# Altium PCB 宠物机器人&导购机器人.PcbDoc (part 5 of 14)
Units mil, origin at the board's own origin, x right, y up, seen from the top; angles counter-clockwise.
Board outline 6899.61 x 2204.72 mil, 2 copper layers (Top Layer, Bottom Layer); 229 components, 218 nets, 23463 pads, 263 vias.
Unrouted connection lines stored in the file: 107.
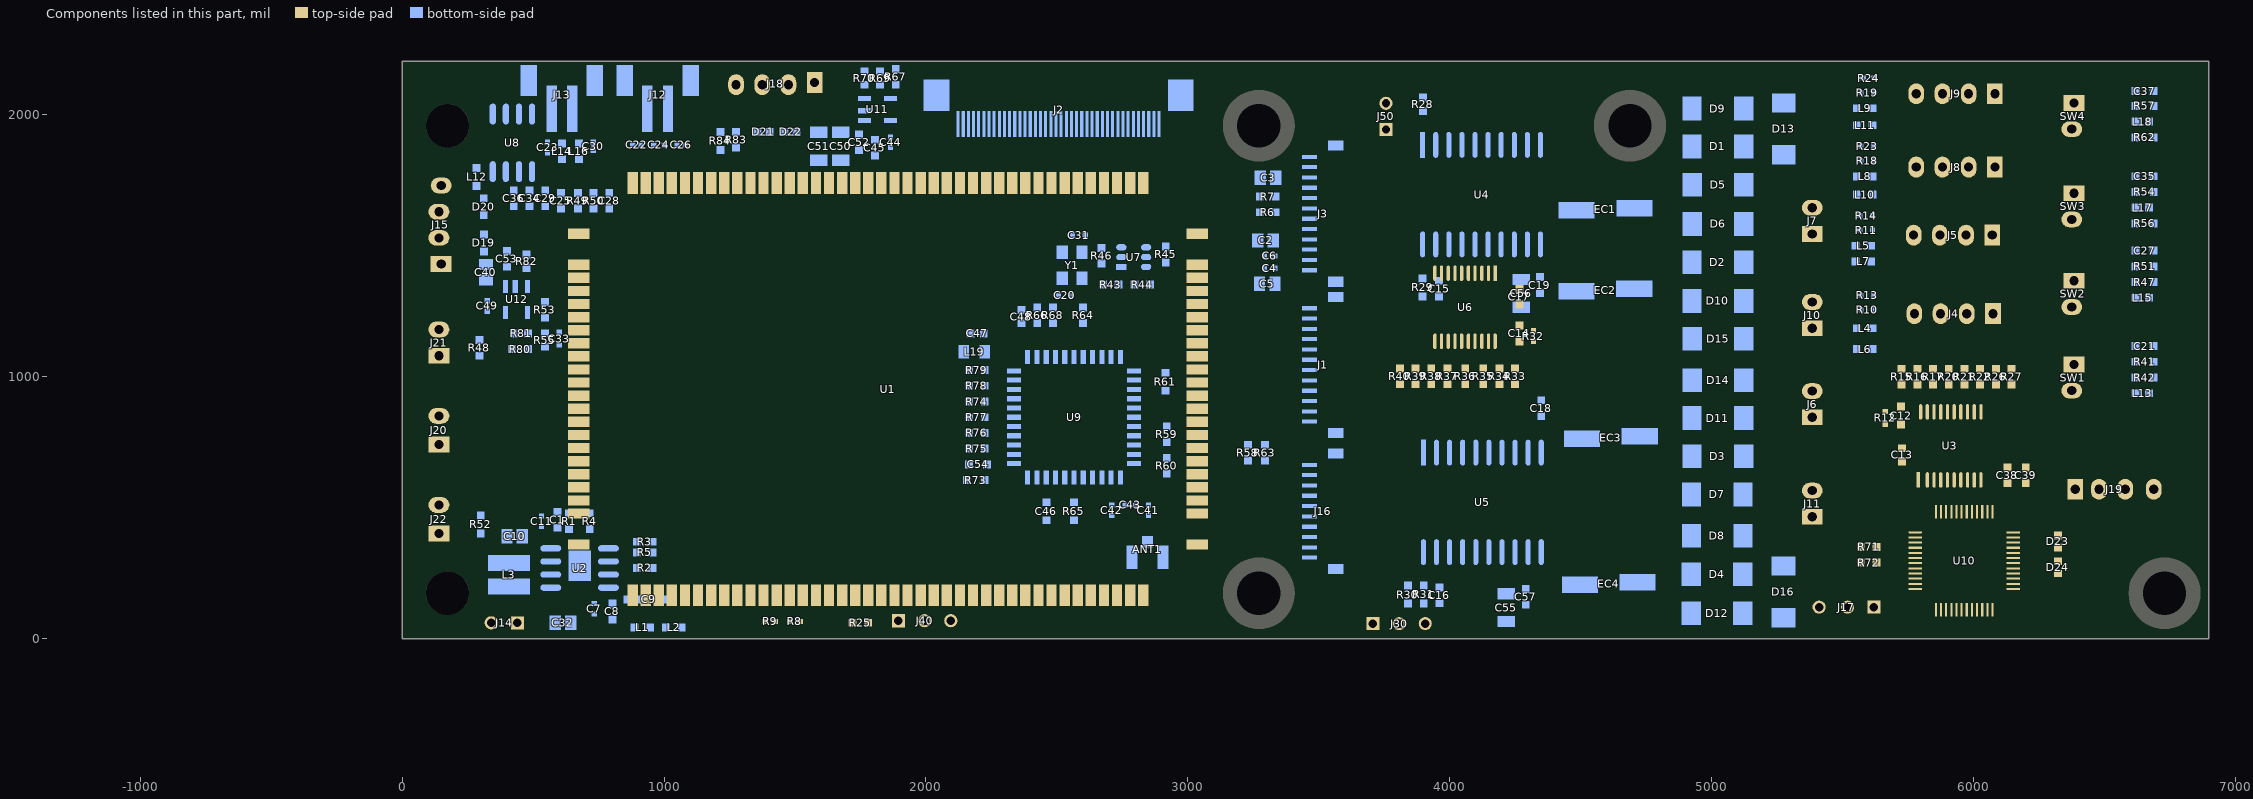
[diagram p5: the components of this part, seen from the top]

## Free pads (board coordinates) (continued)
  round 0.02 on Mech2: 1(-1218.4,-383.24) 1(-1218.4,-383.24) 1(-1218.4,-383.24) 1(-1218.4,-383.15) 1(-1218.4,-383.15) 1(-1218.4,-383.15) 1(-1218.39,-383.7) 1(-1218.39,-383.7) 1(-1218.39,-383.7) 1(-1218.38,-384.88) 1(-1218.38,-384.88) 1(-1218.38,-384.88) 1(-1218.38,-385.02) 1(-1218.38,-385.02) 1(-1218.38,-385.02) 1(-1218.35,-383.64) 1(-1218.35,-383.64) 1(-1218.35,-383.64) 1(-1218.35,-383.34) 1(-1218.35,-383.34) 1(-1218.35,-383.34) 1(-1218.35,-383.6) 1(-1218.35,-383.6) 1(-1218.35,-383.6) 1(-1218.35,-383.54) 1(-1218.35,-383.54) 1(-1218.35,-383.54) 1(-1218.35,-383.54) 1(-1218.35,-383.54) 1(-1218.35,-383.54) 1(-1218.35,-383.44) 1(-1218.35,-383.44) 1(-1218.35,-383.44) 1(-1218.35,-383.44) 1(-1218.35,-383.44) 1(-1218.35,-383.44) 1(-1218.35,-383.38) 1(-1218.35,-383.38) 1(-1218.35,-383.38) 1(-1218.34,-384.69) 1(-1218.34,-384.69) 1(-1218.34,-384.69) 1(-1218.34,-384.52) 1(-1218.34,-384.52) 1(-1218.34,-384.52) 1(-1218.33,-384.17) 1(-1218.33,-384.17) 1(-1218.33,-384.17) 1(-1218.33,-383.18) 1(-1218.33,-383.18) 1(-1218.33,-383.18) 1(-1218.33,-384.39) 1(-1218.33,-384.39) 1(-1218.33,-384.39) 1(-1218.31,-383.85) 1(-1218.31,-383.85) 1(-1218.31,-383.85) 1(-1218.3,-384.69) 1(-1218.3,-384.69) 1(-1218.3,-384.69) 1(-1218.3,-383.97) 1(-1218.3,-383.97) 1(-1218.3,-383.97) 1(-1218.3,-383.54) 1(-1218.3,-383.54) 1(-1218.3,-383.54) 1(-1218.29,-383.44) 1(-1218.29,-383.44) 1(-1218.29,-383.44) 1(-1218.29,-385) 1(-1218.29,-385) 1(-1218.29,-385) 1(-1218.29,-384.09) 1(-1218.29,-384.09) 1(-1218.29,-384.09) 1(-1218.28,-384.87) 1(-1218.28,-384.87) 1(-1218.28,-384.87) 1(-1218.27,-384.29) 1(-1218.27,-384.29) 1(-1218.27,-384.29) 1(-1218.27,-383.73) 1(-1218.27,-383.73) 1(-1218.27,-383.73) 1(-1218.26,-383.57) 1(-1218.26,-383.57) 1(-1218.26,-383.57) 1(-1218.26,-383.41) 1(-1218.26,-383.41) 1(-1218.26,-383.41) 1(-1218.25,-383.18) 1(-1218.25,-383.18) 1(-1218.25,-383.18) 1(-1218.23,-384.83) 1(-1218.23,-384.83) 1(-1218.23,-384.83) 1(-1218.23,-384.74) 1(-1218.23,-384.74) 1(-1218.23,-384.74) 1(-1218.23,-384.74) 1(-1218.23,-384.74) 1(-1218.23,-384.74) 1(-1218.23,-384.74) 1(-1218.23,-384.74) 1(-1218.23,-384.74) 1(-1218.23,-384.65) 1(-1218.23,-384.65) 1(-1218.23,-384.65) 1(-1218.23,-384.57) 1(-1218.23,-384.57) 1(-1218.23,-384.57) 1(-1218.22,-383.28) 1(-1218.22,-383.28) 1(-1218.22,-383.28) 1(-1218.22,-383.28) 1(-1218.22,-383.28) 1(-1218.22,-383.28) 1(-1218.22,-383.76) 1(-1218.22,-383.76) 1(-1218.22,-383.76) 1(-1218.21,-383.67) 1(-1218.21,-383.67) 1(-1218.21,-383.67) 1(-1218.21,-384.94) 1(-1218.21,-384.94) 1(-1218.21,-384.94) 1(-1218.21,-385.06) 1(-1218.21,-385.06) 1(-1218.21,-385.06) 1(-1218.2,-385.21) 1(-1218.2,-385.21) 1(-1218.2,-385.21) 1(-1218.2,-383.12) 1(-1218.2,-383.12) 1(-1218.2,-383.12) 1(-1218.19,-384.45) 1(-1218.19,-384.45) 1(-1218.19,-384.45) 1(-1218.19,-384.28) 1(-1218.19,-384.28) 1(-1218.19,-384.28) 1(-1218.19,-384.4) 1(-1218.19,-384.4) 1(-1218.19,-384.4) 1(-1218.19,-384.33) 1(-1218.19,-384.33) 1(-1218.19,-384.33) 1(-1218.19,-383.41) 1(-1218.19,-383.41) 1(-1218.19,-383.41) 1(-1218.18,-383.65) 1(-1218.18,-383.65) 1(-1218.18,-383.65) 1(-1218.18,-383.56) 1(-1218.18,-383.56) 1(-1218.18,-383.56) 1(-1218.18,-383.28) 1(-1218.18,-383.28) 1(-1218.18,-383.28) 1(-1218.18,-383.92) 1(-1218.18,-383.92) 1(-1218.18,-383.92) 1(-1218.17,-383.22) 1(-1218.17,-383.22) 1(-1218.17,-383.22) 1(-1218.17,-382.99) 1(-1218.17,-382.99) 1(-1218.17,-382.99) 1(-1218.16,-385.13) 1(-1218.16,-385.13) 1(-1218.16,-385.13) 1(-1218.16,-383.67) 1(-1218.16,-383.67) 1(-1218.16,-383.67) 1(-1218.16,-383.67) 1(-1218.16,-383.67) 1(-1218.16,-383.67) 1(-1218.14,-383.71) 1(-1218.14,-383.71) 1(-1218.14,-383.71) 1(-1218.14,-383.71) 1(-1218.14,-383.71) 1(-1218.14,-383.71) 1(-1218.13,-385.01) 1(-1218.13,-385.01) 1(-1218.13,-385.01) 1(-1218.12,-384.2) 1(-1218.12,-384.2) 1(-1218.12,-384.2) 1(-1218.12,-383.11) 1(-1218.12,-383.11) 1(-1218.12,-383.11) 1(-1218.12,-384.58) 1(-1218.12,-384.58) 1(-1218.12,-384.58) 1(-1218.12,-383.28) 1(-1218.12,-383.28) 1(-1218.12,-383.28) 1(-1218.11,-383.67) 1(-1218.11,-383.67) 1(-1218.11,-383.67) 1(-1218.11,-384.82) 1(-1218.11,-384.82) 1(-1218.11,-384.82) 1(-1218.1,-384.71) 1(-1218.1,-384.71) 1(-1218.1,-384.71) 1(-1218.1,-384.46) 1(-1218.1,-384.46) 1(-1218.1,-384.46) 1(-1218.1,-384.41) 1(-1218.1,-384.41) 1(-1218.1,-384.41) 1(-1218.1,-383.46) 1(-1218.1,-383.46) 1(-1218.1,-383.46) 1(-1218.1,-384.18) 1(-1218.1,-384.18) 1(-1218.1,-384.18) 1(-1218.1,-384.18) 1(-1218.1,-384.18) 1(-1218.1,-384.18) 1(-1218.1,-384.15) 1(-1218.1,-384.15) 1(-1218.1,-384.15) 1(-1218.1,-384.15) 1(-1218.1,-384.15) 1(-1218.1,-384.15) 1(-1218.09,-384.31) 1(-1218.09,-384.31) 1(-1218.09,-384.31) 1(-1218.09,-383.76) 1(-1218.09,-383.76) 1(-1218.09,-383.76) 1(-1218.09,-383.28) 1(-1218.09,-383.28) 1(-1218.09,-383.28) 1(-1218.09,-383.28) 1(-1218.09,-383.28) 1(-1218.09,-383.28) 1(-1218.09,-383.83) 1(-1218.09,-383.83) 1(-1218.09,-383.83) 1(-1218.08,-384.93) 1(-1218.08,-384.93) 1(-1218.08,-384.93) 1(-1218.08,-383.04) 1(-1218.08,-383.04) 1(-1218.08,-383.04) 1(-1218.08,-383.04) 1(-1218.08,-383.04) 1(-1218.08,-383.04) 1(-1218.08,-383.04) 1(-1218.08,-383.04) 1(-1218.08,-383.04) 1(-1218.08,-384.5) 1(-1218.08,-384.5) 1(-1218.08,-384.5) 1(-1218.08,-384.65) 1(-1218.08,-384.65) 1(-1218.08,-384.65) 1(-1218.08,-383.27) 1(-1218.08,-383.27) 1(-1218.08,-383.27) 1(-1218.08,-383.27) 1(-1218.08,-383.27) 1(-1218.08,-383.27) 1(-1218.07,-383.35) 1(-1218.07,-383.35) 1(-1218.07,-383.35) 1(-1218.07,-384.21) 1(-1218.07,-384.21) 1(-1218.07,-384.21) 1(-1218.07,-384.71) 1(-1218.07,-384.71) 1(-1218.07,-384.71) 1(-1218.06,-383.65) 1(-1218.06,-383.65) 1(-1218.06,-383.65) 1(-1218.06,-384.8) 1(-1218.06,-384.8) 1(-1218.06,-384.8) 1(-1218.05,-383.11) 1(-1218.05,-383.11) 1(-1218.05,-383.11) 1(-1218.05,-383.11) 1(-1218.05,-383.11) 1(-1218.05,-383.11) 1(-1218.05,-384.5) 1(-1218.05,-384.5) 1(-1218.05,-384.5) 1(-1218.05,-384.46) 1(-1218.05,-384.46) 1(-1218.05,-384.46) 1(-1218.05,-385.02) 1(-1218.05,-385.02) 1(-1218.05,-385.02) 1(-1218.04,-383.37) 1(-1218.04,-383.37) 1(-1218.04,-383.37) 1(-1218.04,-383.31) 1(-1218.04,-383.31) 1(-1218.04,-383.31) 1(-1218.04,-383.27) 1(-1218.04,-383.27) 1(-1218.04,-383.27) 1(-1218.04,-383.27) 1(-1218.04,-383.27) 1(-1218.04,-383.27) 1(-1218.04,-383.27) 1(-1218.04,-383.27) 1(-1218.04,-383.27) 1(-1218.04,-383.15) 1(-1218.04,-383.15) 1(-1218.04,-383.15) 1(-1218.04,-383.12) 1(-1218.04,-383.12) 1(-1218.04,-383.12) 1(-1218.04,-383.12) 1(-1218.04,-383.12) 1(-1218.04,-383.12) 1(-1218.04,-383.12) 1(-1218.04,-383.12) 1(-1218.04,-383.12) 1(-1218.04,-383.09) 1(-1218.04,-383.09) 1(-1218.04,-383.09) 1(-1218.04,-385.12) 1(-1218.04,-385.12) 1(-1218.04,-385.12) 1(-1218.03,-383.04) 1(-1218.03,-383.04) 1(-1218.03,-383.04) 1(-1218.02,-384.84) 1(-1218.02,-384.84) 1(-1218.02,-384.84) 1(-1218,-383.63) 1(-1218,-383.63) 1(-1218,-383.63) 1(-1218,-383.23) 1(-1218,-383.23) 1(-1218,-383.23) 1(-1218,-384.8) 1(-1218,-384.8) 1(-1218,-384.8) 1(-1218,-383.43) 1(-1218,-383.43) 1(-1218,-383.43) 1(-1218,-383.34) 1(-1218,-383.34) 1(-1218,-383.34) 1(-1218,-383.34) 1(-1218,-383.34) 1(-1218,-383.34) 1(-1217.99,-384.5) 1(-1217.99,-384.5) 1(-1217.99,-384.5) 1(-1217.99,-384.46) 1(-1217.99,-384.46) 1(-1217.99,-384.46) 1(-1217.99,-383.37) 1(-1217.99,-383.37) 1(-1217.99,-383.37) 1(-1217.99,-383.34) 1(-1217.99,-383.34) 1(-1217.99,-383.34) 1(-1217.99,-383.31) 1(-1217.99,-383.31) 1(-1217.99,-383.31) 1(-1217.99,-383.17) 1(-1217.99,-383.17) 1(-1217.99,-383.17) 1(-1217.99,-383.17) 1(-1217.99,-383.17) 1(-1217.99,-383.17) 1(-1217.99,-383.15) 1(-1217.99,-383.15) 1(-1217.99,-383.15) 1(-1217.99,-383.12) 1(-1217.99,-383.12) 1(-1217.99,-383.12) 1(-1217.99,-383.12) 1(-1217.99,-383.12) 1(-1217.99,-383.12) 1(-1217.99,-383.09) 1(-1217.99,-383.09) 1(-1217.99,-383.09) 1(-1217.97,-385.21) 1(-1217.97,-385.21) 1(-1217.97,-385.21) 1(-1217.97,-383.04) 1(-1217.97,-383.04) 1(-1217.97,-383.04) 1(-1217.96,-384.06) 1(-1217.96,-384.06) 1(-1217.96,-384.06) 1(-1217.96,-383.91) 1(-1217.96,-383.91) 1(-1217.96,-383.91) 1(-1217.96,-383.91) 1(-1217.96,-383.91) 1(-1217.96,-383.91) 1(-1217.96,-383.86) 1(-1217.96,-383.86) 1(-1217.96,-383.86) 1(-1217.96,-383.86) 1(-1217.96,-383.86) 1(-1217.96,-383.86) 1(-1217.96,-384.21) 1(-1217.96,-384.21) 1(-1217.96,-384.21) 1(-1217.95,-384.11) 1(-1217.95,-384.11) 1(-1217.95,-384.11) 1(-1217.95,-383.97) 1(-1217.95,-383.97) 1(-1217.95,-383.97) 1(-1217.95,-384.68) 1(-1217.95,-384.68) 1(-1217.95,-384.68) 1(-1217.95,-384.5) 1(-1217.95,-384.5) 1(-1217.95,-384.5) 1(-1217.95,-384.2) 1(-1217.95,-384.2) 1(-1217.95,-384.2) 1(-1217.95,-384.2) 1(-1217.95,-384.2) 1(-1217.95,-384.2) 1(-1217.95,-384.56) 1(-1217.95,-384.56) 1(-1217.95,-384.56) 1(-1217.95,-383.76) 1(-1217.95,-383.76) 1(-1217.95,-383.76) 1(-1217.95,-383.76) 1(-1217.95,-383.76) 1(-1217.95,-383.76) 1(-1217.95,-384.41) 1(-1217.95,-384.41) 1(-1217.95,-384.41) 1(-1217.95,-383.81) 1(-1217.95,-383.81) 1(-1217.95,-383.81) 1(-1217.95,-383.71) 1(-1217.95,-383.71) 1(-1217.95,-383.71) 1(-1217.95,-383.71) 1(-1217.95,-383.71) 1(-1217.95,-383.71) 1(-1217.95,-384.8) 1(-1217.95,-384.8) 1(-1217.95,-384.8) 1(-1217.95,-383.71) 1(-1217.95,-383.71) 1(-1217.95,-383.71) 1(-1217.95,-383.71) 1(-1217.95,-383.71) 1(-1217.95,-383.71) 1(-1217.94,-383.39) 1(-1217.94,-383.39) 1(-1217.94,-383.39) 1(-1217.94,-383.39) 1(-1217.94,-383.39) 1(-1217.94,-383.39) 1(-1217.94,-383.37) 1(-1217.94,-383.37) 1(-1217.94,-383.37) 1(-1217.94,-383.34) 1(-1217.94,-383.34) 1(-1217.94,-383.34) 1(-1217.94,-383.31) 1(-1217.94,-383.31) 1(-1217.94,-383.31) 1(-1217.94,-383.15) 1(-1217.94,-383.15) 1(-1217.94,-383.15) 1(-1217.94,-383.12) 1(-1217.94,-383.12) 1(-1217.94,-383.12) 1(-1217.94,-383.09) 1(-1217.94,-383.09) 1(-1217.94,-383.09) 1(-1217.94,-383.07) 1(-1217.94,-383.07) 1(-1217.94,-383.07) 1(-1217.94,-383.07) 1(-1217.94,-383.07) 1(-1217.94,-383.07) 1(-1217.94,-383.71) 1(-1217.94,-383.71) 1(-1217.94,-383.71) 1(-1217.94,-383.94) 1(-1217.94,-383.94) 1(-1217.94,-383.94) 1(-1217.94,-383.94) 1(-1217.94,-383.94) 1(-1217.94,-383.94) 1(-1217.93,-383.43) 1(-1217.93,-383.43) 1(-1217.93,-383.43) 1(-1217.93,-383.4) 1(-1217.93,-383.4) 1(-1217.93,-383.4) 1(-1217.93,-383.4) 1(-1217.93,-383.4) 1(-1217.93,-383.4) 1(-1217.93,-383.57) 1(-1217.93,-383.57) 1(-1217.93,-383.57) 1(-1217.93,-383.57) 1(-1217.93,-383.57) 1(-1217.93,-383.57) 1(-1217.93,-383.57) 1(-1217.93,-383.57) 1(-1217.93,-383.57) 1(-1217.93,-384.2) 1(-1217.93,-384.2) 1(-1217.93,-384.2) 1(-1217.93,-384.2) 1(-1217.93,-384.2) 1(-1217.93,-384.2) 1(-1217.93,-384.2) 1(-1217.93,-384.2) 1(-1217.93,-384.2) 1(-1217.92,-383.63) 1(-1217.92,-383.63) 1(-1217.92,-383.63) 1(-1217.92,-384.84) 1(-1217.92,-384.84) 1(-1217.92,-384.84) 1(-1217.92,-384.41) 1(-1217.92,-384.41) 1(-1217.92,-384.41) 1(-1217.92,-384.94) 1(-1217.92,-384.94) 1(-1217.92,-384.94) 1(-1217.92,-384.8) 1(-1217.92,-384.8) 1(-1217.92,-384.8) 1(-1217.92,-384.8) 1(-1217.92,-384.8) 1(-1217.92,-384.8) 1(-1217.91,-383.81) 1(-1217.91,-383.81) 1(-1217.91,-383.81) 1(-1217.91,-383.76) 1(-1217.91,-383.76) 1(-1217.91,-383.76) 1(-1217.91,-383.86) 1(-1217.91,-383.86) 1(-1217.91,-383.86) 1(-1217.91,-383.86) 1(-1217.91,-383.86) 1(-1217.91,-383.86) 1(-1217.91,-384.49) 1(-1217.91,-384.49) 1(-1217.91,-384.49) 1(-1217.91,-385) 1(-1217.91,-385) 1(-1217.91,-385) 1(-1217.91,-384.58) 1(-1217.91,-384.58) 1(-1217.91,-384.58) 1(-1217.91,-383.04) 1(-1217.91,-383.04) 1(-1217.91,-383.04) 1(-1217.91,-383.71) 1(-1217.91,-383.71) 1(-1217.91,-383.71) 1(-1217.9,-384.82) 1(-1217.9,-384.82) 1(-1217.9,-384.82) 1(-1217.9,-384.8) 1(-1217.9,-384.8) 1(-1217.9,-384.8) 1(-1217.9,-384.71) 1(-1217.9,-384.71) 1(-1217.9,-384.71) 1(-1217.89,-383.37) 1(-1217.89,-383.37) 1(-1217.89,-383.37) 1(-1217.89,-383.35) 1(-1217.89,-383.35) 1(-1217.89,-383.35) 1(-1217.89,-383.35) 1(-1217.89,-383.35) 1(-1217.89,-383.35) 1(-1217.89,-383.31) 1(-1217.89,-383.31) 1(-1217.89,-383.31) 1(-1217.89,-383.27) 1(-1217.89,-383.27) 1(-1217.89,-383.27) 1(-1217.89,-383.27) 1(-1217.89,-383.27) 1(-1217.89,-383.27) 1(-1217.89,-383.15) 1(-1217.89,-383.15) 1(-1217.89,-383.15) 1(-1217.89,-383.12) 1(-1217.89,-383.12) 1(-1217.89,-383.12) 1(-1217.89,-383.09) 1(-1217.89,-383.09) 1(-1217.89,-383.09) 1(-1217.89,-383.06) 1(-1217.89,-383.06) 1(-1217.89,-383.06) 1(-1217.89,-383.06) 1(-1217.89,-383.06) 1(-1217.89,-383.06) 1(-1217.89,-383.23) 1(-1217.89,-383.23) 1(-1217.89,-383.23) 1(-1217.89,-382.96) 1(-1217.89,-382.96) 1(-1217.89,-382.96) 1(-1217.89,-383.36) 1(-1217.89,-383.36) 1(-1217.89,-383.36) 1(-1217.89,-383.36) 1(-1217.89,-383.36) 1(-1217.89,-383.36) 1(-1217.88,-383.99) 1(-1217.88,-383.99) 1(-1217.88,-383.99) 1(-1217.88,-383.68) 1(-1217.88,-383.68) 1(-1217.88,-383.68) 1(-1217.88,-383.94) 1(-1217.88,-383.94) 1(-1217.88,-383.94) 1(-1217.88,-383.94) 1(-1217.88,-383.94) 1(-1217.88,-383.94) 1(-1217.88,-383.9) 1(-1217.88,-383.9) 1(-1217.88,-383.9) 1(-1217.87,-384.52) 1(-1217.87,-384.52) 1(-1217.87,-384.52) 1(-1217.87,-383.94) 1(-1217.87,-383.94) 1(-1217.87,-383.94) 1(-1217.87,-383.94) 1(-1217.87,-383.94) 1(-1217.87,-383.94) 1(-1217.87,-383.57) 1(-1217.87,-383.57) 1(-1217.87,-383.57) 1(-1217.87,-383.57) 1(-1217.87,-383.57) 1(-1217.87,-383.57) 1(-1217.87,-385.08) 1(-1217.87,-385.08) 1(-1217.87,-385.08) 1(-1217.86,-384.2) 1(-1217.86,-384.2) 1(-1217.86,-384.2) 1(-1217.86,-383.59) 1(-1217.86,-383.59) 1(-1217.86,-383.59) 1(-1217.86,-383.59) 1(-1217.86,-383.59) 1(-1217.86,-383.59) 1(-1217.85,-383.81) 1(-1217.85,-383.81) 1(-1217.85,-383.81) 1(-1217.85,-384.79) 1(-1217.85,-384.79) 1(-1217.85,-384.79) 1(-1217.85,-384.67) 1(-1217.85,-384.67) 1(-1217.85,-384.67) 1(-1217.85,-384.31) 1(-1217.85,-384.31) 1(-1217.85,-384.31) 1(-1217.84,-383.76) 1(-1217.84,-383.76) 1(-1217.84,-383.76) 1(-1217.84,-384.42) 1(-1217.84,-384.42) 1(-1217.84,-384.42) 1(-1217.84,-383.63) 1(-1217.84,-383.63) 1(-1217.84,-383.63) 1(-1217.83,-382.97) 1(-1217.83,-382.97) 1(-1217.83,-382.97) 1(-1217.83,-384.07) 1(-1217.83,-384.07) 1(-1217.83,-384.07) 1(-1217.82,-384.01) 1(-1217.82,-384.01) 1(-1217.82,-384.01) 1(-1217.82,-383.75) 1(-1217.82,-383.75) 1(-1217.82,-383.75) 1(-1217.82,-383.59) 1(-1217.82,-383.59) 1(-1217.82,-383.59) 1(-1217.82,-383.59) 1(-1217.82,-383.59) 1(-1217.82,-383.59) 1(-1217.82,-383.22) 1(-1217.82,-383.22) 1(-1217.82,-383.22) 1(-1217.82,-383.36) 1(-1217.82,-383.36) 1(-1217.82,-383.36) 1(-1217.82,-383.36) 1(-1217.82,-383.36) 1(-1217.82,-383.36) 1(-1217.82,-383.26) 1(-1217.82,-383.26) 1(-1217.82,-383.26) 1(-1217.82,-383.87) 1(-1217.82,-383.87) 1(-1217.82,-383.87) 1(-1217.82,-383.26) 1(-1217.82,-383.26) 1(-1217.82,-383.26) 1(-1217.82,-383.94) 1(-1217.82,-383.94) 1(-1217.82,-383.94) 1(-1217.82,-383.94) 1(-1217.82,-383.94) 1(-1217.82,-383.94) 1(-1217.82,-383.9) 1(-1217.82,-383.9) 1(-1217.82,-383.9) 1(-1217.82,-383.46) 1(-1217.82,-383.46) 1(-1217.82,-383.46) 1(-1217.82,-383.46) 1(-1217.82,-383.46) 1(-1217.82,-383.46) 1(-1217.82,-383.42) 1(-1217.82,-383.42) 1(-1217.82,-383.42) 1(-1217.82,-383.42) 1(-1217.82,-383.42) 1(-1217.82,-383.42) 1(-1217.82,-383.37) 1(-1217.82,-383.37) 1(-1217.82,-383.37) 1(-1217.82,-383.37) 1(-1217.82,-383.37) 1(-1217.82,-383.37) 1(-1217.81,-384.31) 1(-1217.81,-384.31) 1(-1217.81,-384.31) 1(-1217.81,-384.85) 1(-1217.81,-384.85) 1(-1217.81,-384.85) 1(-1217.81,-384.19) 1(-1217.81,-384.19) 1(-1217.81,-384.19) 1(-1217.81,-384.14) 1(-1217.81,-384.14) 1(-1217.81,-384.14) 1(-1217.8,-383.47) 1(-1217.8,-383.47) 1(-1217.8,-383.47) 1(-1217.8,-384.47) 1(-1217.8,-384.47) 1(-1217.8,-384.47) 1(-1217.8,-383.88) 1(-1217.8,-383.88) 1(-1217.8,-383.88) 1(-1217.8,-383.88) 1(-1217.8,-383.88) 1(-1217.8,-383.88) 1(-1217.79,-384.68) 1(-1217.79,-384.68) 1(-1217.79,-384.68) 1(-1217.79,-384.58) 1(-1217.79,-384.58) 1(-1217.79,-384.58) 1(-1217.79,-384.79) 1(-1217.79,-384.79) 1(-1217.79,-384.79) 1(-1217.79,-384.41) 1(-1217.79,-384.41) 1(-1217.79,-384.41) 1(-1217.79,-383.67) 1(-1217.79,-383.67) 1(-1217.79,-383.67) 1(-1217.79,-385.08) 1(-1217.79,-385.08) 1(-1217.79,-385.08) 1(-1217.79,-383.86) 1(-1217.79,-383.86) 1(-1217.79,-383.86) 1(-1217.78,-384.13) 1(-1217.78,-384.13) 1(-1217.78,-384.13) 1(-1217.77,-384.69) 1(-1217.77,-384.69) 1(-1217.77,-384.69) 1(-1217.77,-384.03) 1(-1217.77,-384.03) 1(-1217.77,-384.03) 1(-1217.77,-384.62) 1(-1217.77,-384.62) 1(-1217.77,-384.62) 1(-1217.77,-384.32) 1(-1217.77,-384.32) 1(-1217.77,-384.32) 1(-1217.76,-383.47) 1(-1217.76,-383.47) 1(-1217.76,-383.47) 1(-1217.76,-383.94) 1(-1217.76,-383.94) 1(-1217.76,-383.94) 1(-1217.76,-383.88) 1(-1217.76,-383.88) 1(-1217.76,-383.88) 1(-1217.76,-383.34) 1(-1217.76,-383.34) 1(-1217.76,-383.34) 1(-1217.76,-383.46) 1(-1217.76,-383.46) 1(-1217.76,-383.46) 1(-1217.76,-383.46) 1(-1217.76,-383.46) 1(-1217.76,-383.46) 1(-1217.76,-383.42) 1(-1217.76,-383.42) 1(-1217.76,-383.42) 1(-1217.73,-383.47) 1(-1217.73,-383.47) 1(-1217.73,-383.47) 1(-1217.73,-385.21) 1(-1217.73,-385.21) 1(-1217.73,-385.21) 1(-1217.72,-383.72) 1(-1217.72,-383.72) 1(-1217.72,-383.72) 1(-1217.72,-383.69) 1(-1217.72,-383.69) 1(-1217.72,-383.69) 1(-1217.72,-383.69) 1(-1217.72,-383.69) 1(-1217.72,-383.69) 1(-1217.71,-384.91) 1(-1217.71,-384.91) 1(-1217.71,-384.91) 1(-1217.71,-383.34) 1(-1217.71,-383.34) 1(-1217.71,-383.34) 1(-1217.71,-385.08) 1(-1217.71,-385.08) 1(-1217.71,-385.08) 1(-1217.71,-383.2) 1(-1217.71,-383.2) 1(-1217.71,-383.2) 1(-1217.7,-383.55) 1(-1217.7,-383.55) 1(-1217.7,-383.55) 1(-1217.7,-383.88) 1(-1217.7,-383.88) 1(-1217.7,-383.88) 1(-1217.7,-383.85) 1(-1217.7,-383.85) 1(-1217.7,-383.85) 1(-1217.7,-383.85) 1(-1217.7,-383.85) 1(-1217.7,-383.85) 1(-1217.7,-384.7) 1(-1217.7,-384.7) 1(-1217.7,-384.7) 1(-1217.69,-384.08) 1(-1217.69,-384.08) 1(-1217.69,-384.08) 1(-1217.69,-384.61) 1(-1217.69,-384.61) 1(-1217.69,-384.61) 1(-1217.68,-384.46) 1(-1217.68,-384.46) 1(-1217.68,-384.46) 1(-1217.67,-383.82) 1(-1217.67,-383.82) 1(-1217.67,-383.82) 1(-1217.67,-383.61) 1(-1217.67,-383.61) 1(-1217.67,-383.61) 1(-1217.66,-385.1) 1(-1217.66,-385.1) 1(-1217.66,-385.1) 1(-1217.66,-385.1) 1(-1217.66,-385.1) 1(-1217.66,-385.1) 1(-1217.66,-384.91) 1(-1217.66,-384.91) 1(-1217.66,-384.91) 1(-1217.66,-384.91) 1(-1217.66,-384.91) 1(-1217.66,-384.91) 1(-1217.66,-384.63) 1(-1217.66,-384.63) 1(-1217.66,-384.63) 1(-1217.66,-383.29) 1(-1217.66,-383.29) 1(-1217.66,-383.29) 1(-1217.65,-383.89) 1(-1217.65,-383.89) 1(-1217.65,-383.89) 1(-1217.65,-384.84) 1(-1217.65,-384.84) 1(-1217.65,-384.84) 1(-1217.65,-383.12) 1(-1217.65,-383.12) 1(-1217.65,-383.12) 1(-1217.65,-384.53) 1(-1217.65,-384.53) 1(-1217.65,-384.53) 1(-1217.65,-383.99) 1(-1217.65,-383.99) 1(-1217.65,-383.99) 1(-1217.65,-384.32) 1(-1217.65,-384.32) 1(-1217.65,-384.32) 1(-1217.64,-384.78) 1(-1217.64,-384.78) 1(-1217.64,-384.78) 1(-1217.63,-384.73) 1(-1217.63,-384.73) 1(-1217.63,-384.73) 1(-1217.62,-384.68) 1(-1217.62,-384.68) 1(-1217.62,-384.68) 1(-1217.62,-384.8) 1(-1217.62,-384.8) 1(-1217.62,-384.8) 1(-1217.62,-383.85) 1(-1217.62,-383.85) 1(-1217.62,-383.85) 1(-1217.61,-383.29) 1(-1217.61,-383.29) 1(-1217.61,-383.29) 1(-1217.61,-383.35) 1(-1217.61,-383.35) 1(-1217.61,-383.35) 1(-1217.61,-383.62) 1(-1217.61,-383.62) 1(-1217.61,-383.62) 1(-1217.61,-383.51) 1(-1217.61,-383.51) 1(-1217.61,-383.51) 1(-1217.61,-383.47) 1(-1217.61,-383.47) 1(-1217.61,-383.47) 1(-1217.6,-384.89) 1(-1217.6,-384.89) 1(-1217.6,-384.89) 1(-1217.6,-384.18) 1(-1217.6,-384.18) 1(-1217.6,-384.18) 1(-1217.6,-383.12) 1(-1217.6,-383.12) 1(-1217.6,-383.12) 1(-1217.6,-384.76) 1(-1217.6,-384.76) 1(-1217.6,-384.76) 1(-1217.6,-384.22) 1(-1217.6,-384.22) 1(-1217.6,-384.22) 1(-1217.59,-384.7) 1(-1217.59,-384.7) 1(-1217.59,-384.7) 1(-1217.59,-383.73) 1(-1217.59,-383.73) 1(-1217.59,-383.73) 1(-1217.59,-383.82) 1(-1217.59,-383.82) 1(-1217.59,-383.82) 1(-1217.58,-384.43) 1(-1217.58,-384.43) 1(-1217.58,-384.43) 1(-1217.58,-384.52) 1(-1217.58,-384.52) 1(-1217.58,-384.52) 1(-1217.57,-384.17) 1(-1217.57,-384.17) 1(-1217.57,-384.17) 1(-1217.56,-383.8) 1(-1217.56,-383.8) 1(-1217.56,-383.8) 1(-1217.56,-384.46) 1(-1217.56,-384.46) 1(-1217.56,-384.46) 1(-1217.56,-384.35) 1(-1217.56,-384.35) 1(-1217.56,-384.35) 1(-1217.56,-383.11) 1(-1217.56,-383.11) 1(-1217.56,-383.11) 1(-1217.56,-384.08) 1(-1217.56,-384.08) 1(-1217.56,-384.08) 1(-1217.56,-383.99) 1(-1217.56,-383.99) 1(-1217.56,-383.99) 1(-1217.55,-384.27) 1(-1217.55,-384.27) 1(-1217.55,-384.27) 1(-1217.55,-383.93) 1(-1217.55,-383.93) 1(-1217.55,-383.93) 1(-1217.55,-384.78) 